# KiCad board mist1010.kicad_pcb
title: MIST.1010; date: 2022-08-21; rev: A2; company: Eugene Lozovoy
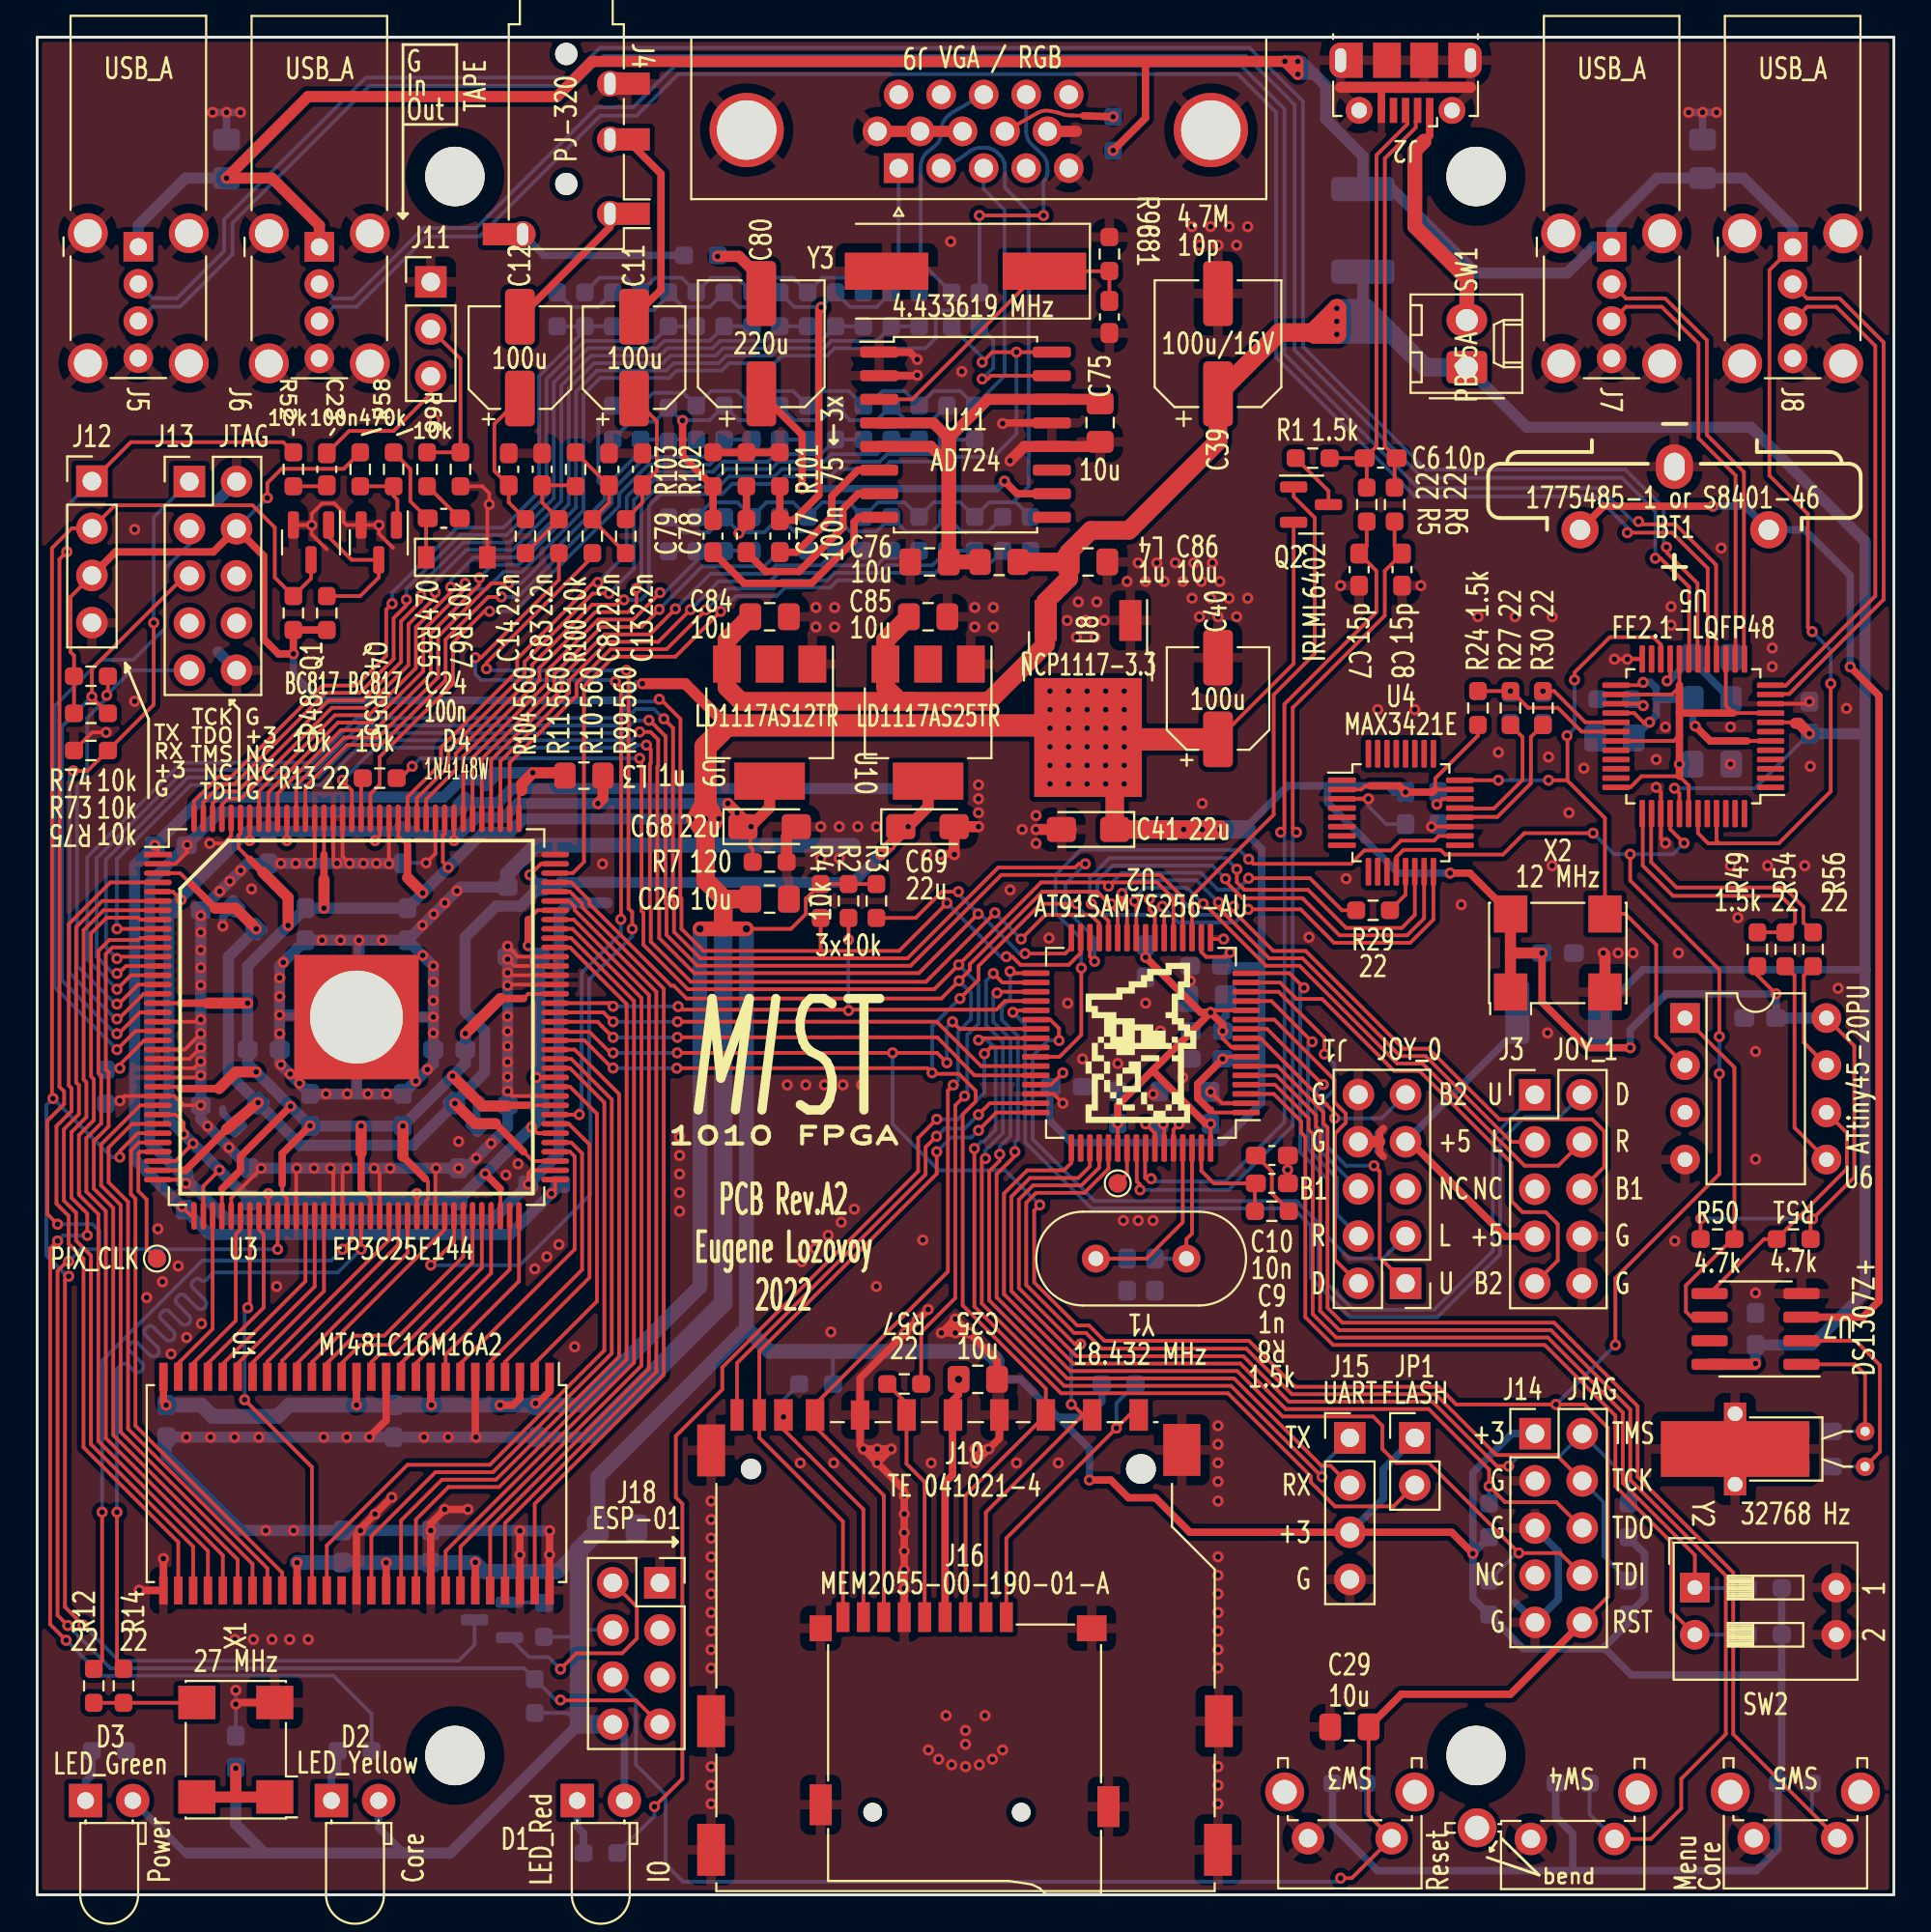
[diagram p0: board, top side]
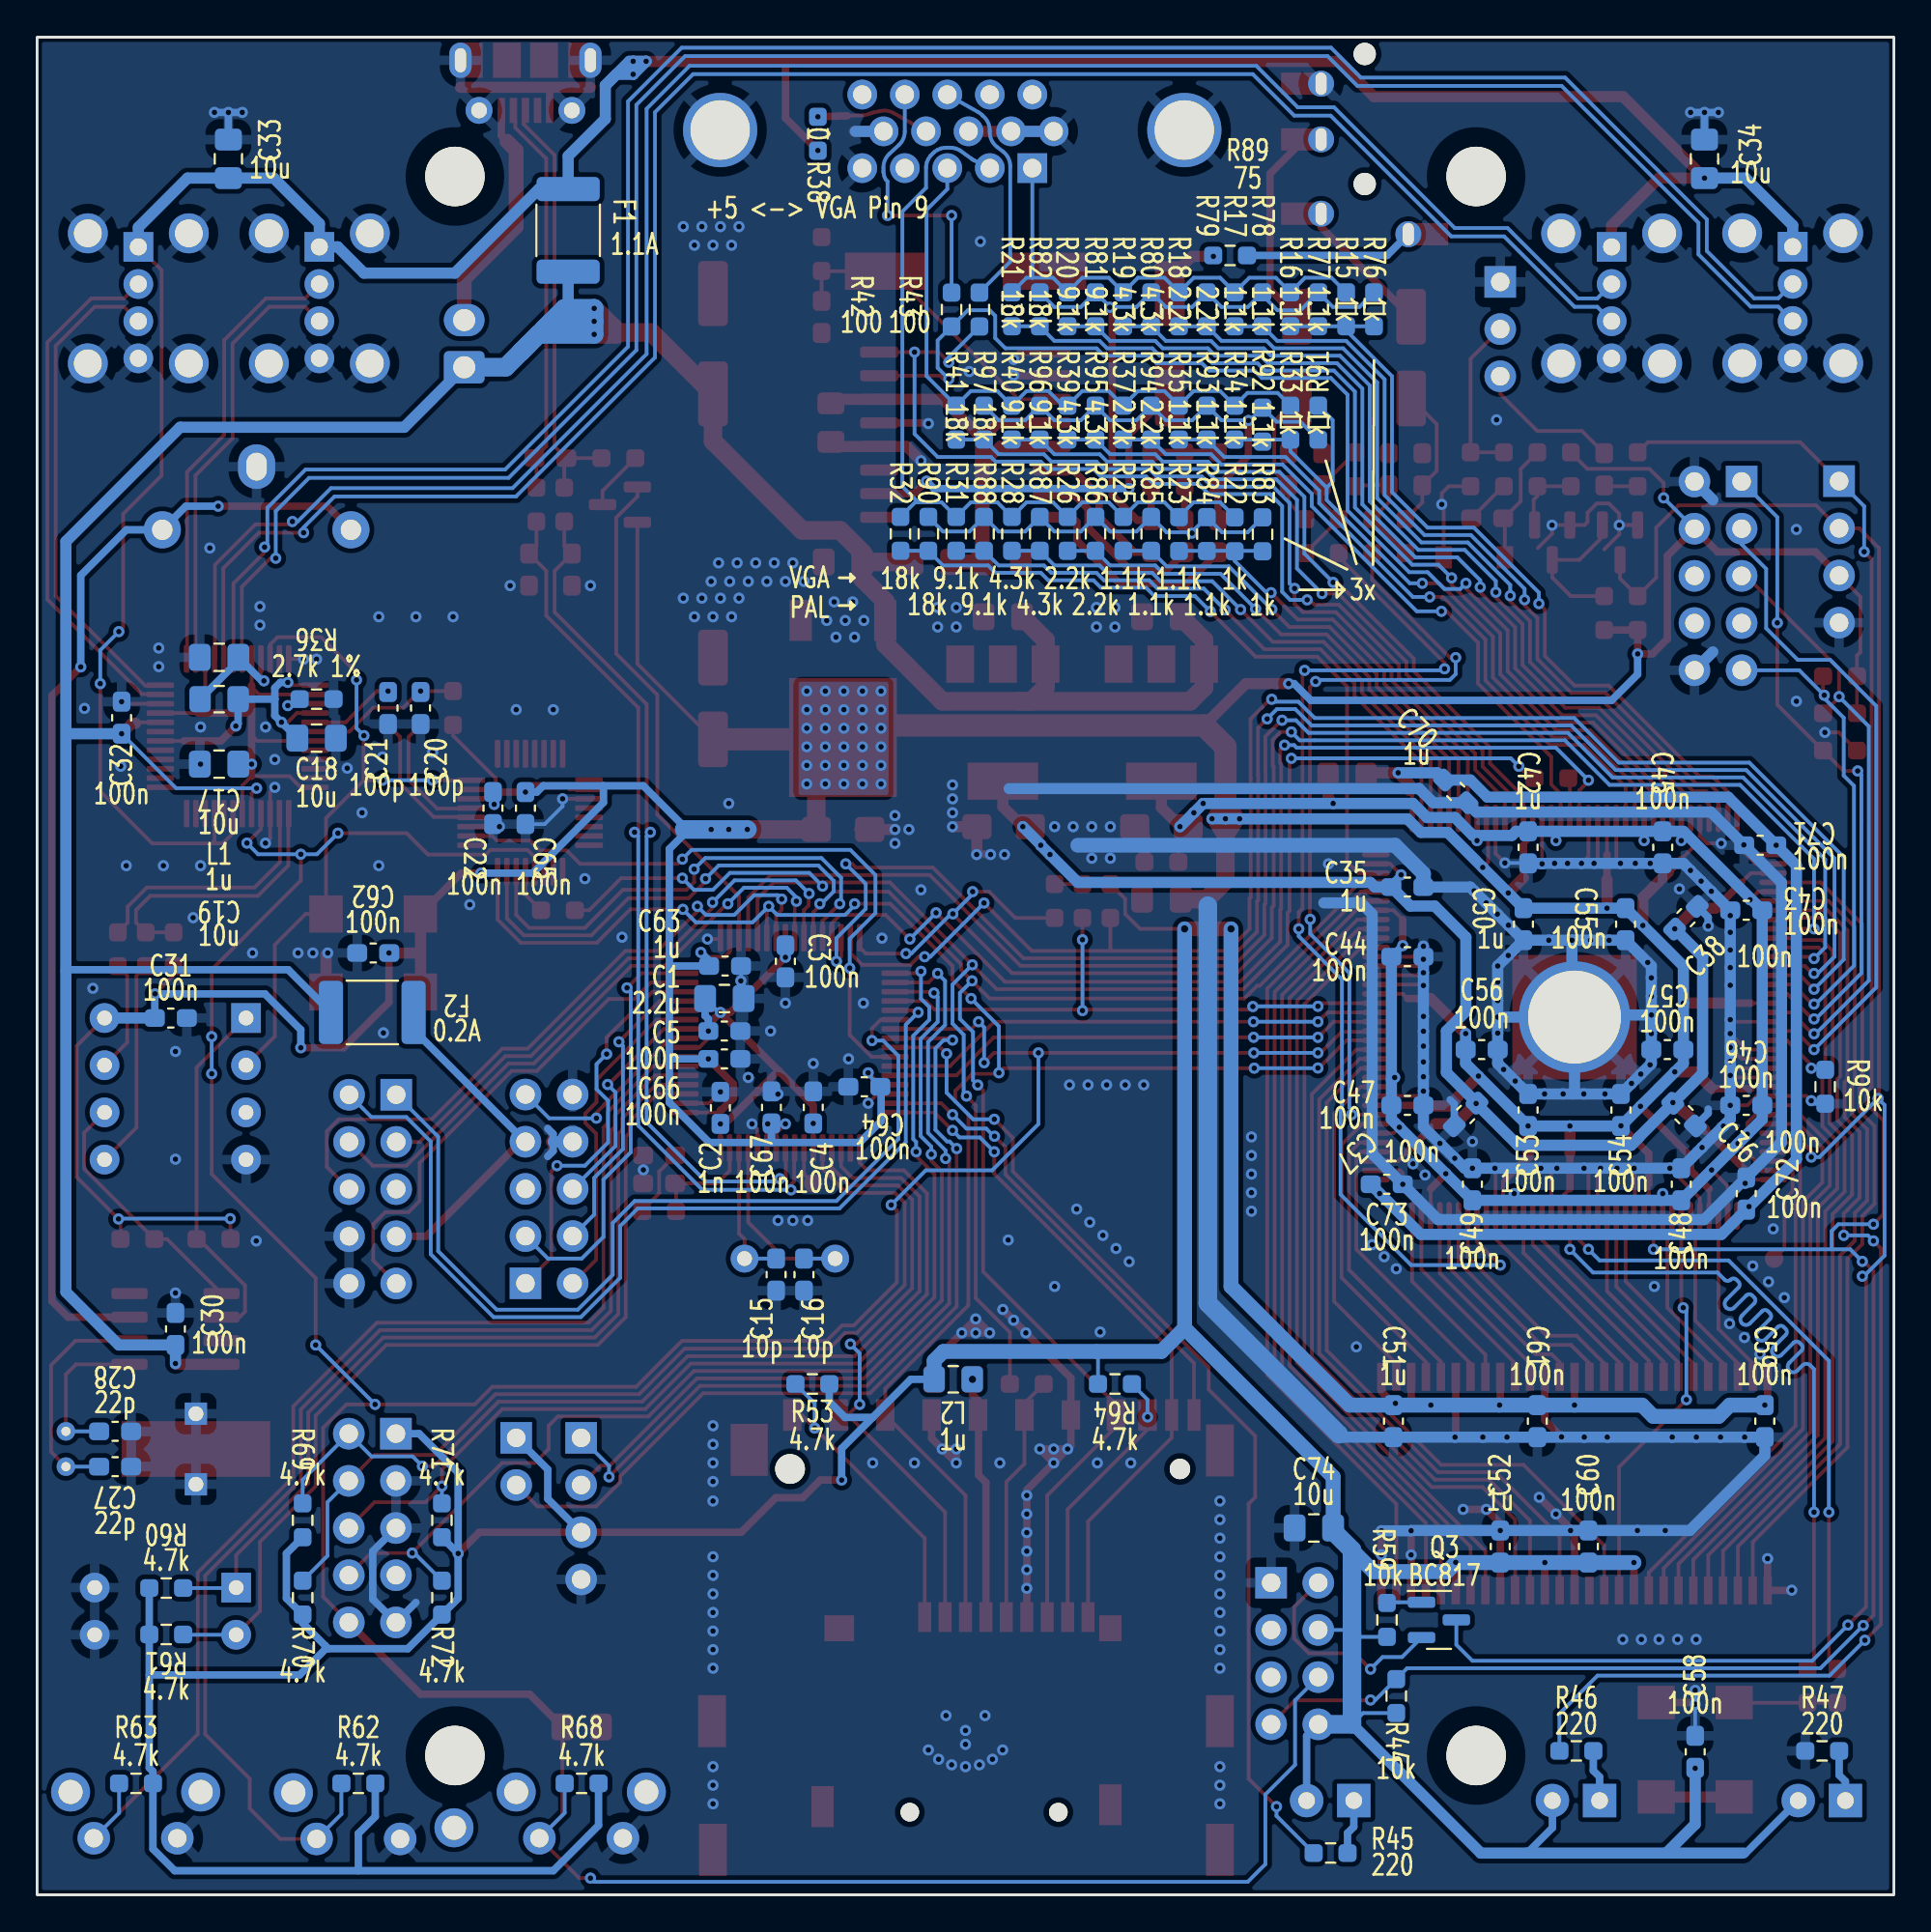
[diagram p1: board, bottom side, seen from below]

Outline 100 x 100 mm; copper layers: Top, Bottom. Coordinates in mm from the lower left corner of the outline.
Outline path: rectangle 0,100 100,0
Stack: Top 0.035mm / dielectric 1.51mm FR4 er 4.5 / Bottom 0.035mm

## Placement (name value [footprint] x y rotation side)
BT1  1775485-1 or S8401-46  [CR2032V]  83.1 73.48 0 top
C1  2.2u  [C_0805_2012Metric_Pad1.18x1.45mm_HandSolder]  62.99 48.25 0 bottom
C2  1n  [C_0603_1608Metric_Pad1.08x0.95mm_HandSolder]  63.2 42.36 270 bottom
C3  100n  [C_0603_1608Metric_Pad1.08x0.95mm_HandSolder]  59.7 50.25 90 bottom
C4  100n  [C_0603_1608Metric_Pad1.08x0.95mm_HandSolder]  58.2 42.39 270 bottom
C5  100n  [C_0603_1608Metric_Pad1.08x0.95mm_HandSolder]  62.99 46.5 0 bottom
C6  10p  [C_0603_1608Metric_Pad1.08x0.95mm_HandSolder]  72.36 77.34 0 top
C7  15p  [C_0603_1608Metric_Pad1.08x0.95mm_HandSolder]  71.2 71.34 270 top
C8  15p  [C_0603_1608Metric_Pad1.08x0.95mm_HandSolder]  73.51 71.34 270 top
C9  1n  [C_0603_1608Metric_Pad1.08x0.95mm_HandSolder]  66.5 38.3 0 top
C10  10n  [C_0603_1608Metric_Pad1.08x0.95mm_HandSolder]  66.5 39.8 0 top
C11  100u  [CP_Elec_5x5.9]  32.15 82.75 90 top
C12  100u  [CP_Elec_5x5.9]  26 82.75 90 top
C13  2.2n  [C_0603_1608Metric_Pad1.08x0.95mm_HandSolder]  32.6 76.74 90 top
C14  2.2n  [C_0603_1608Metric_Pad1.08x0.95mm_HandSolder]  25.4 76.74 90 top
C15  10p  [C_0603_1608Metric_Pad1.08x0.95mm_HandSolder]  60.2 33.39 270 bottom
C16  10p  [C_0603_1608Metric_Pad1.08x0.95mm_HandSolder]  58.7 33.39 270 bottom
C17  10u  [C_0805_2012Metric_Pad1.18x1.45mm_HandSolder]  90.2 66.62 180 bottom
C18  10u  [C_0805_2012Metric_Pad1.18x1.45mm_HandSolder]  84.95 62.27 0 bottom
C19  10u  [C_0805_2012Metric_Pad1.18x1.45mm_HandSolder]  90.2 60.87 180 bottom
C20  100p  [C_0603_1608Metric_Pad1.08x0.95mm_HandSolder]  79.35 63.89 270 bottom
C21  100p  [C_0603_1608Metric_Pad1.08x0.95mm_HandSolder]  81.1 63.89 270 bottom
C22  100n  [C_0603_1608Metric_Pad1.08x0.95mm_HandSolder]  75.45 58.5 90 bottom
C23  100n  [C_0603_1608Metric_Pad1.08x0.95mm_HandSolder]  15.6 76.74 270 top
C24  100n  [C_0603_1608Metric_Pad1.08x0.95mm_HandSolder]  21.9 74.1 0 top
C25  10u  [C_0805_2012Metric_Pad1.18x1.45mm_HandSolder]  50.66 27.75 180 top
C26  10u  [C_0805_2012Metric_Pad1.18x1.45mm_HandSolder]  39.45 53.6 180 top
C27  22p  [C_0603_1608Metric_Pad1.08x0.95mm_HandSolder]  95.8 23.05 180 bottom
C28  22p  [C_0603_1608Metric_Pad1.08x0.95mm_HandSolder]  95.8 24.95 180 bottom
C29  10u  [C_0805_2012Metric_Pad1.18x1.45mm_HandSolder]  70.67 9.04 0 top
C30  100n  [C_0603_1608Metric_Pad1.08x0.95mm_HandSolder]  92.55 30.46 270 bottom
C31  100n  [C_0603_1608Metric_Pad1.08x0.95mm_HandSolder]  92.8 47.2 0 bottom
C32  100n  [C_0603_1608Metric_Pad1.08x0.95mm_HandSolder]  95.45 63.37 270 bottom
C33  10u  [C_0805_2012Metric_Pad1.18x1.45mm_HandSolder]  89.7 93.45 270 bottom
C34  10u  [C_0805_2012Metric_Pad1.18x1.45mm_HandSolder]  10.2 93.45 270 bottom
C35  1u  [C_0603_1608Metric_Pad1.08x0.95mm_HandSolder]  26.2 54.25 0 bottom
C36  100n  [C_0603_1608Metric_Pad1.08x0.95mm_HandSolder]  11.3 42 45 bottom
C37  100n  [C_0603_1608Metric_Pad1.08x0.95mm_HandSolder]  23.06 42.01 135 bottom
C38  100n  [C_0603_1608Metric_Pad1.08x0.95mm_HandSolder]  11.2 52.6 315 bottom
C39  100u/16V  [CP_Elec_6.3x7.7]  63.6 83.5 90 top
C40  100u  [CP_Elec_5x5.9]  63.6 64.4 90 top
C41  22u  [CP_EIA-3216-18_Kemet-A_Pad1.58x1.35mm_HandSolder]  56.6 57.35 180 top
C42  1u  [C_0603_1608Metric_Pad1.08x0.95mm_HandSolder]  19.7 56.39 90 bottom
C43  100n  [C_0603_1608Metric_Pad1.08x0.95mm_HandSolder]  7.95 53 180 bottom
C44  100n  [C_0603_1608Metric_Pad1.08x0.95mm_HandSolder]  26.2 50.5 0 bottom
C45  100n  [C_0603_1608Metric_Pad1.08x0.95mm_HandSolder]  12.45 56.39 90 bottom
C46  100n  [C_0603_1608Metric_Pad1.08x0.95mm_HandSolder]  7.95 42.5 180 bottom
C47  100n  [C_0603_1608Metric_Pad1.08x0.95mm_HandSolder]  26.2 42.5 0 bottom
C48  100n  [C_0603_1608Metric_Pad1.08x0.95mm_HandSolder]  11.45 38.25 270 bottom
C49  100n  [C_0603_1608Metric_Pad1.08x0.95mm_HandSolder]  22.7 38.25 270 bottom
C50  1u  [C_0603_1608Metric_Pad1.08x0.95mm_HandSolder]  19.95 52.25 90 bottom
C51  1u  [C_0603_1608Metric_Pad1.08x0.95mm_HandSolder]  26.95 25.5 90 bottom
C52  1u  [C_0603_1608Metric_Pad1.08x0.95mm_HandSolder]  21.2 18.75 270 bottom
C53  100n  [C_0603_1608Metric_Pad1.08x0.95mm_HandSolder]  19.7 42.25 270 bottom
C54  100n  [C_0603_1608Metric_Pad1.08x0.95mm_HandSolder]  14.7 42.25 270 bottom
C55  100n  [C_0603_1608Metric_Pad1.08x0.95mm_HandSolder]  14.45 52.25 90 bottom
C56  100n  [C_0603_1608Metric_Pad1.08x0.95mm_HandSolder]  22.2 45.5 0 bottom
C57  100n  [C_0603_1608Metric_Pad1.08x0.95mm_HandSolder]  12.2 45.5 180 bottom
C58  100n  [C_0603_1608Metric_Pad1.08x0.95mm_HandSolder]  10.7 7.7 270 bottom
C59  100n  [C_0603_1608Metric_Pad1.08x0.95mm_HandSolder]  6.95 25.5 90 bottom
C60  100n  [C_0603_1608Metric_Pad1.08x0.95mm_HandSolder]  16.45 18.75 270 bottom
C61  100n  [C_0603_1608Metric_Pad1.08x0.95mm_HandSolder]  19.2 25.5 90 bottom
C62  100n  [C_0603_1608Metric_Pad1.08x0.95mm_HandSolder]  81.9 50.7 180 bottom
C63  1u  [C_0603_1608Metric_Pad1.08x0.95mm_HandSolder]  62.95 50 0 bottom
C64  100n  [C_0603_1608Metric_Pad1.08x0.95mm_HandSolder]  55.45 43.5 180 bottom
C65  100n  [C_0603_1608Metric_Pad1.08x0.95mm_HandSolder]  73.7 58.5 90 bottom
C66  100n  [C_0603_1608Metric_Pad1.08x0.95mm_HandSolder]  62.99 45 0 bottom
C67  100n  [C_0603_1608Metric_Pad1.08x0.95mm_HandSolder]  60.45 42.39 270 bottom
C68  22u  [CP_EIA-3216-18_Kemet-A_Pad1.58x1.35mm_HandSolder]  39.45 57.5 0 top
C69  22u  [CP_EIA-3216-18_Kemet-A_Pad1.58x1.35mm_HandSolder]  47.95 57.5 0 top
C70  1u  [C_0603_1608Metric_Pad1.08x0.95mm_HandSolder]  23.6 59.4 45 bottom
C71  100n  [C_0603_1608Metric_Pad1.08x0.95mm_HandSolder]  7.2 56.5 180 bottom
C72  100n  [C_0603_1608Metric_Pad1.08x0.95mm_HandSolder]  7.95 37.75 270 bottom
C73  100n  [C_0603_1608Metric_Pad1.08x0.95mm_HandSolder]  27.31 38.25 0 bottom
C74  10u  [C_0805_2012Metric_Pad1.18x1.45mm_HandSolder]  31.24 19.75 180 bottom
C75  10u  [C_0805_2012Metric_Pad1.18x1.45mm_HandSolder]  57.25 79.25 90 top
C76  10u  [C_0805_2012Metric_Pad1.18x1.45mm_HandSolder]  48.06 71.75 0 top
C77  100n  [C_0603_1608Metric_Pad1.08x0.95mm_HandSolder]  40 73.14 90 top
C78  100n  [C_0603_1608Metric_Pad1.08x0.95mm_HandSolder]  38.2 73.14 90 top
C79  100n  [C_0603_1608Metric_Pad1.08x0.95mm_HandSolder]  36.4 73.14 90 top
C80  220u  [CP_Elec_6.3x7.7]  39 83.5 90 top
C81  10p  [C_0603_1608Metric_Pad1.08x0.95mm_HandSolder]  57.75 84.94 270 top
C82  2.2n  [C_0603_1608Metric_Pad1.08x0.95mm_HandSolder]  30.8 76.74 90 top
C83  2.2n  [C_0603_1608Metric_Pad1.08x0.95mm_HandSolder]  27.2 76.74 90 top
C84  10u  [C_0805_2012Metric_Pad1.18x1.45mm_HandSolder]  39.45 68.8 180 top
C85  10u  [C_0805_2012Metric_Pad1.18x1.45mm_HandSolder]  47.99 68.8 180 top
C86  10u  [C_0805_2012Metric_Pad1.18x1.45mm_HandSolder]  56.6 71.75 180 top
D1  LED_Red  [LED_D3.0mm_Horizontal_O1.27mm_Z6.0mm]  29.09 5.07 0 top
D2  LED_Yellow  [LED_D3.0mm_Horizontal_O1.27mm_Z6.0mm]  15.85 5.07 0 top
D3  LED_Green  [LED_D3.0mm_Horizontal_O1.27mm_Z6.0mm]  2.61 5.07 0 top
D4  1N4148W  [D_SOD-123]  22.6 72 0 top
F1  1.1A  [Fuse_1812_4532Metric_Pad1.30x3.40mm_HandSolder]  71.4 89.6 90 bottom
F2  0.2A  [Fuse_1812_4532Metric_Pad1.30x3.40mm_HandSolder]  81.95 47.5 180 bottom
H1  Screw M3 dk=5mm L=4mm  [MountingHole_3.2mm_M3_dk5.2mm]  22.5 7.5 0 top
H2  Screw M3 dk=5mm L=4mm  [MountingHole_3.2mm_M3_dk5.2mm]  77.5 7.5 0 top
H3  Screw M3 dk=5mm L=4mm  [MountingHole_3.2mm_M3_dk5.2mm]  22.5 92.5 0 top
H4  Screw M3 dk=5mm L=4mm  [MountingHole_3.2mm_M3_dk5.2mm]  77.5 92.5 0 top
J1  Conn_02x05_Odd_Even  [PinHeader_2x05_P2.54mm_Vertical]  73.7 32.92 180 top
J2  USB_B_Micro  [USB_Micro-B_Molex-105017-0001]  73.7 97.52 180 top
J3  Conn_02x05_Odd_Even  [PinHeader_2x05_P2.54mm_Vertical]  80.66 43.07 0 top
J4  PJ-320  [PJ-320A_D]  28.5 94.32 270 top
J5  USB_A  [USB_A_Wuerth_614004134726_Horizontal]  5.45 88.72 270 top
J6  USB_A  [USB_A_Wuerth_614004134726_Horizontal]  15.2 88.71 270 top
J7  USB_A  [USB_A_Wuerth_614004134726_Horizontal]  84.8 88.71 270 top
J8  USB_A  [USB_A_Wuerth_614004134726_Horizontal]  94.55 88.71 270 top
J9  DB15_Female_HighDensity_MountingHoles  [DSUB-15-HD_Female_Horizontal_P2.29x1.98mm_EdgePinOffset3.03mm_Housed_MountingHolesOffset4.94mm]  46.4 92.95 180 top
J10  TE 041021-4  [SD_TE_2041021-mod]  49.95 13.75 0 top
J11  PJ392  [PinHeader_1x03_P2.54mm_Vertical]  21.2 86.82 0 top
J12  Conn_01x04  [PinHeader_1x04_P2.54mm_Vertical]  2.95 76.1 0 top
J13  Conn_02x05_Odd_Even  [PinHeader_2x05_P2.54mm_Vertical]  8.2 76.08 0 top
J14  Conn_02x05_Odd_Even  [PinHeader_2x05_P2.54mm_Vertical]  80.67 24.82 0 top
J15  Conn_01x04  [PinHeader_1x04_P2.54mm_Vertical]  70.7 24.6 0 top
J16  MEM2055-00-190-01-A  [GCT-MEM2055-00-190-01-A]  49.95 15.75 180 top
J18  ESP-01  [PinSocket_2x04_P2.54mm_Vertical]  33.54 16.8 0 top
JP1  Jumper_2_Open  [PinHeader_1x02_P2.54mm_Vertical]  74.2 24.6 0 top
L1  1u  [L_0805_2012Metric_Pad1.15x1.40mm_HandSolder]  90.2 64.37 0 bottom
L2  1u  [L_0805_2012Metric_Pad1.15x1.40mm_HandSolder]  50.66 27.75 180 bottom
L3  1u  [L_0805_2012Metric_Pad1.15x1.40mm_HandSolder]  29.45 60.25 180 top
L4  1u  [L_0805_2012Metric_Pad1.15x1.40mm_HandSolder]  51.81 71.75 180 top
LOGO1  graphic  [black-mage-6.7x9.5]  59.45 45.86 0 top
Q1  BC817  [SOT-23]  14.75 72.8 270 top
Q2  IRLML6402  [SOT-23]  68.61 74.84 0 top
Q3  BC817  [SOT-23]  24.5 14.8 180 bottom
Q4  BC817  [SOT-23]  18.4 72.8 270 top
R1  1.5k  [R_0603_1608Metric_Pad0.98x0.95mm_HandSolder]  68.7 77.34 0 top
R2  10k  [R_0603_1608Metric_Pad0.98x0.95mm_HandSolder]  43.7 53.5 270 top
R3  10k  [R_0603_1608Metric_Pad0.98x0.95mm_HandSolder]  45.2 53.5 270 top
R4  10k  [R_0603_1608Metric_Pad0.98x0.95mm_HandSolder]  42.2 53.5 270 top
R5  22  [R_0603_1608Metric_Pad0.98x0.95mm_HandSolder]  71.61 74.84 270 top
R6  22  [R_0603_1608Metric_Pad0.98x0.95mm_HandSolder]  73.11 74.84 270 top
R7  120  [R_0603_1608Metric_Pad0.98x0.95mm_HandSolder]  39.45 55.6 0 top
R8  1.5k  [R_0603_1608Metric_Pad0.98x0.95mm_HandSolder]  66.5 36.8 180 top
R9  10k  [R_0603_1608Metric_Pad0.98x0.95mm_HandSolder]  3.7 43.5 90 bottom
R10  560  [R_0603_1608Metric_Pad0.98x0.95mm_HandSolder]  29.9 73.14 90 top
R11  560  [R_0603_1608Metric_Pad0.98x0.95mm_HandSolder]  28.1 73.14 90 top
R12  22  [R_0603_1608Metric_Pad0.98x0.95mm_HandSolder]  3.05 11.25 90 top
R13  22  [R_0603_1608Metric_Pad0.98x0.95mm_HandSolder]  18.45 60.11 0 top
R14  22  [R_0603_1608Metric_Pad0.98x0.95mm_HandSolder]  4.65 11.25 90 top
R15  1k  [R_0603_1608Metric_Pad0.98x0.95mm_HandSolder]  29.5 85.35 90 bottom